# Altium PCB EVK-IRIS-W1.PcbDoc (part 1 of 9)
Units mm, origin at the board's own origin, x right, y up, seen from the top; angles counter-clockwise.
Board outline 94.11 x 129.93 mm, 6 copper layers (L1, L2, L3, L4, L5, L6), stack 1.547 mm thick; 619 components, 422 nets, 2042 pads, 1499 vias.
Unrouted connection lines stored in the file: 4.
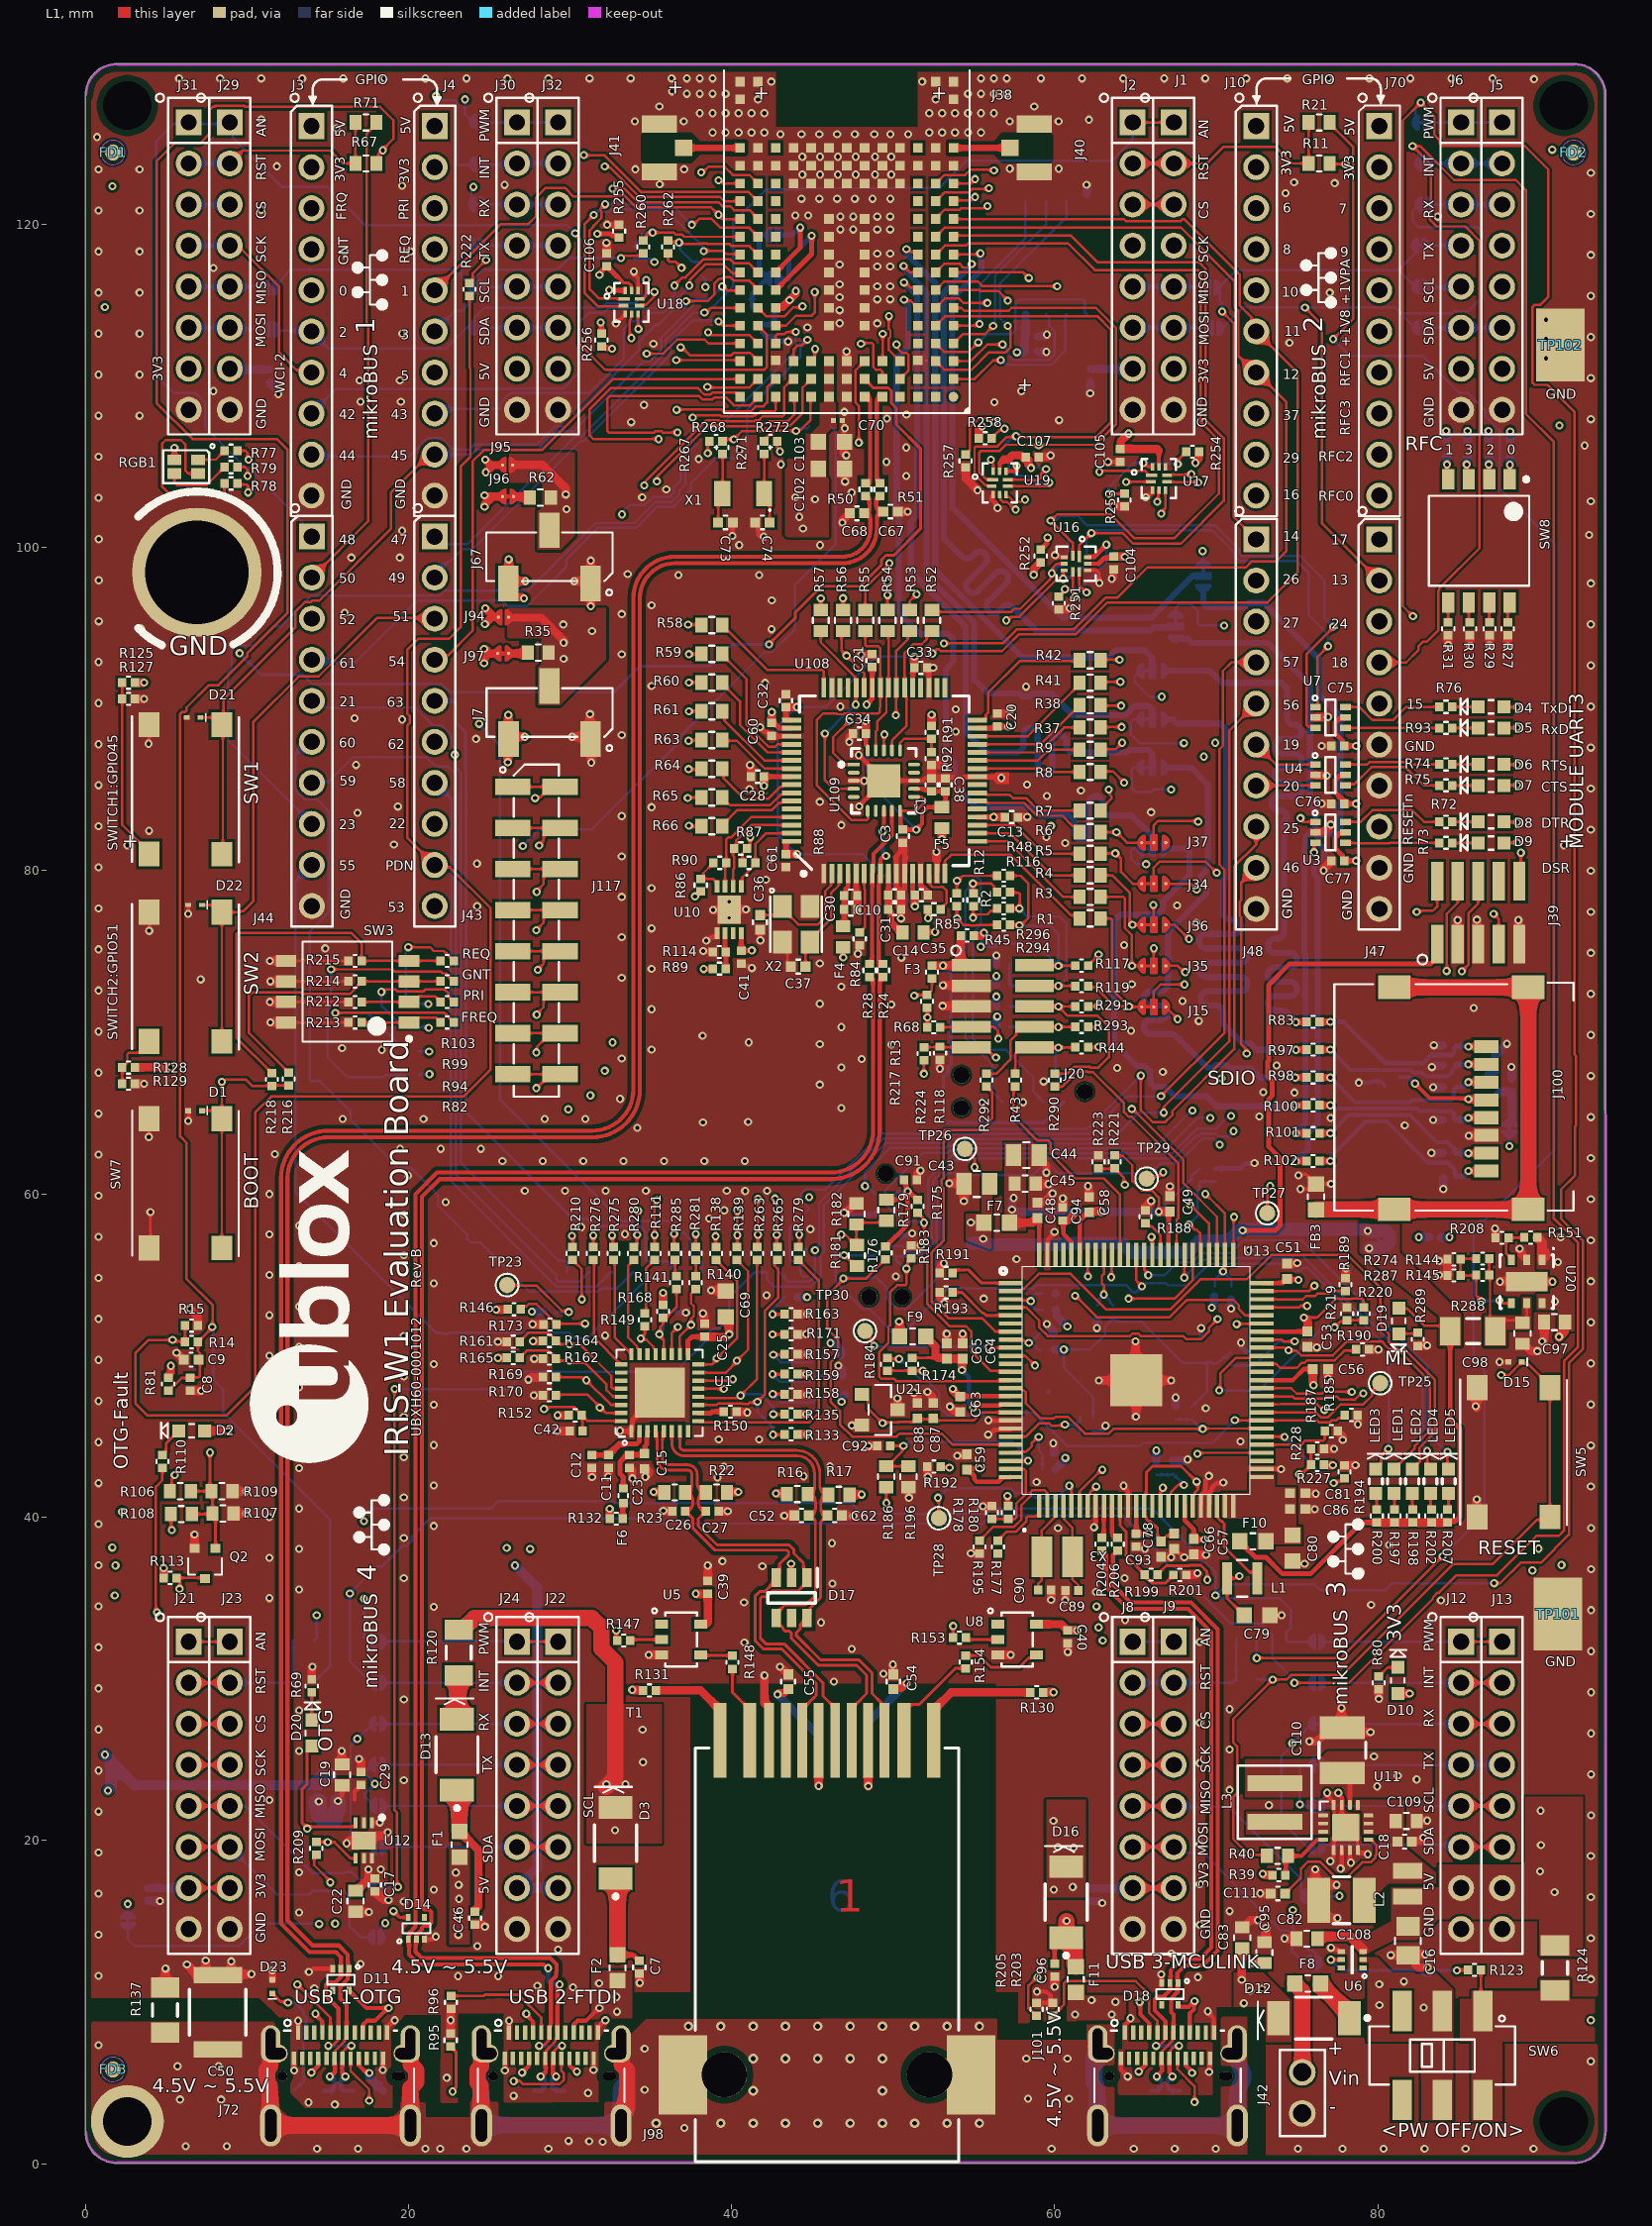
[diagram p0: L1 view]
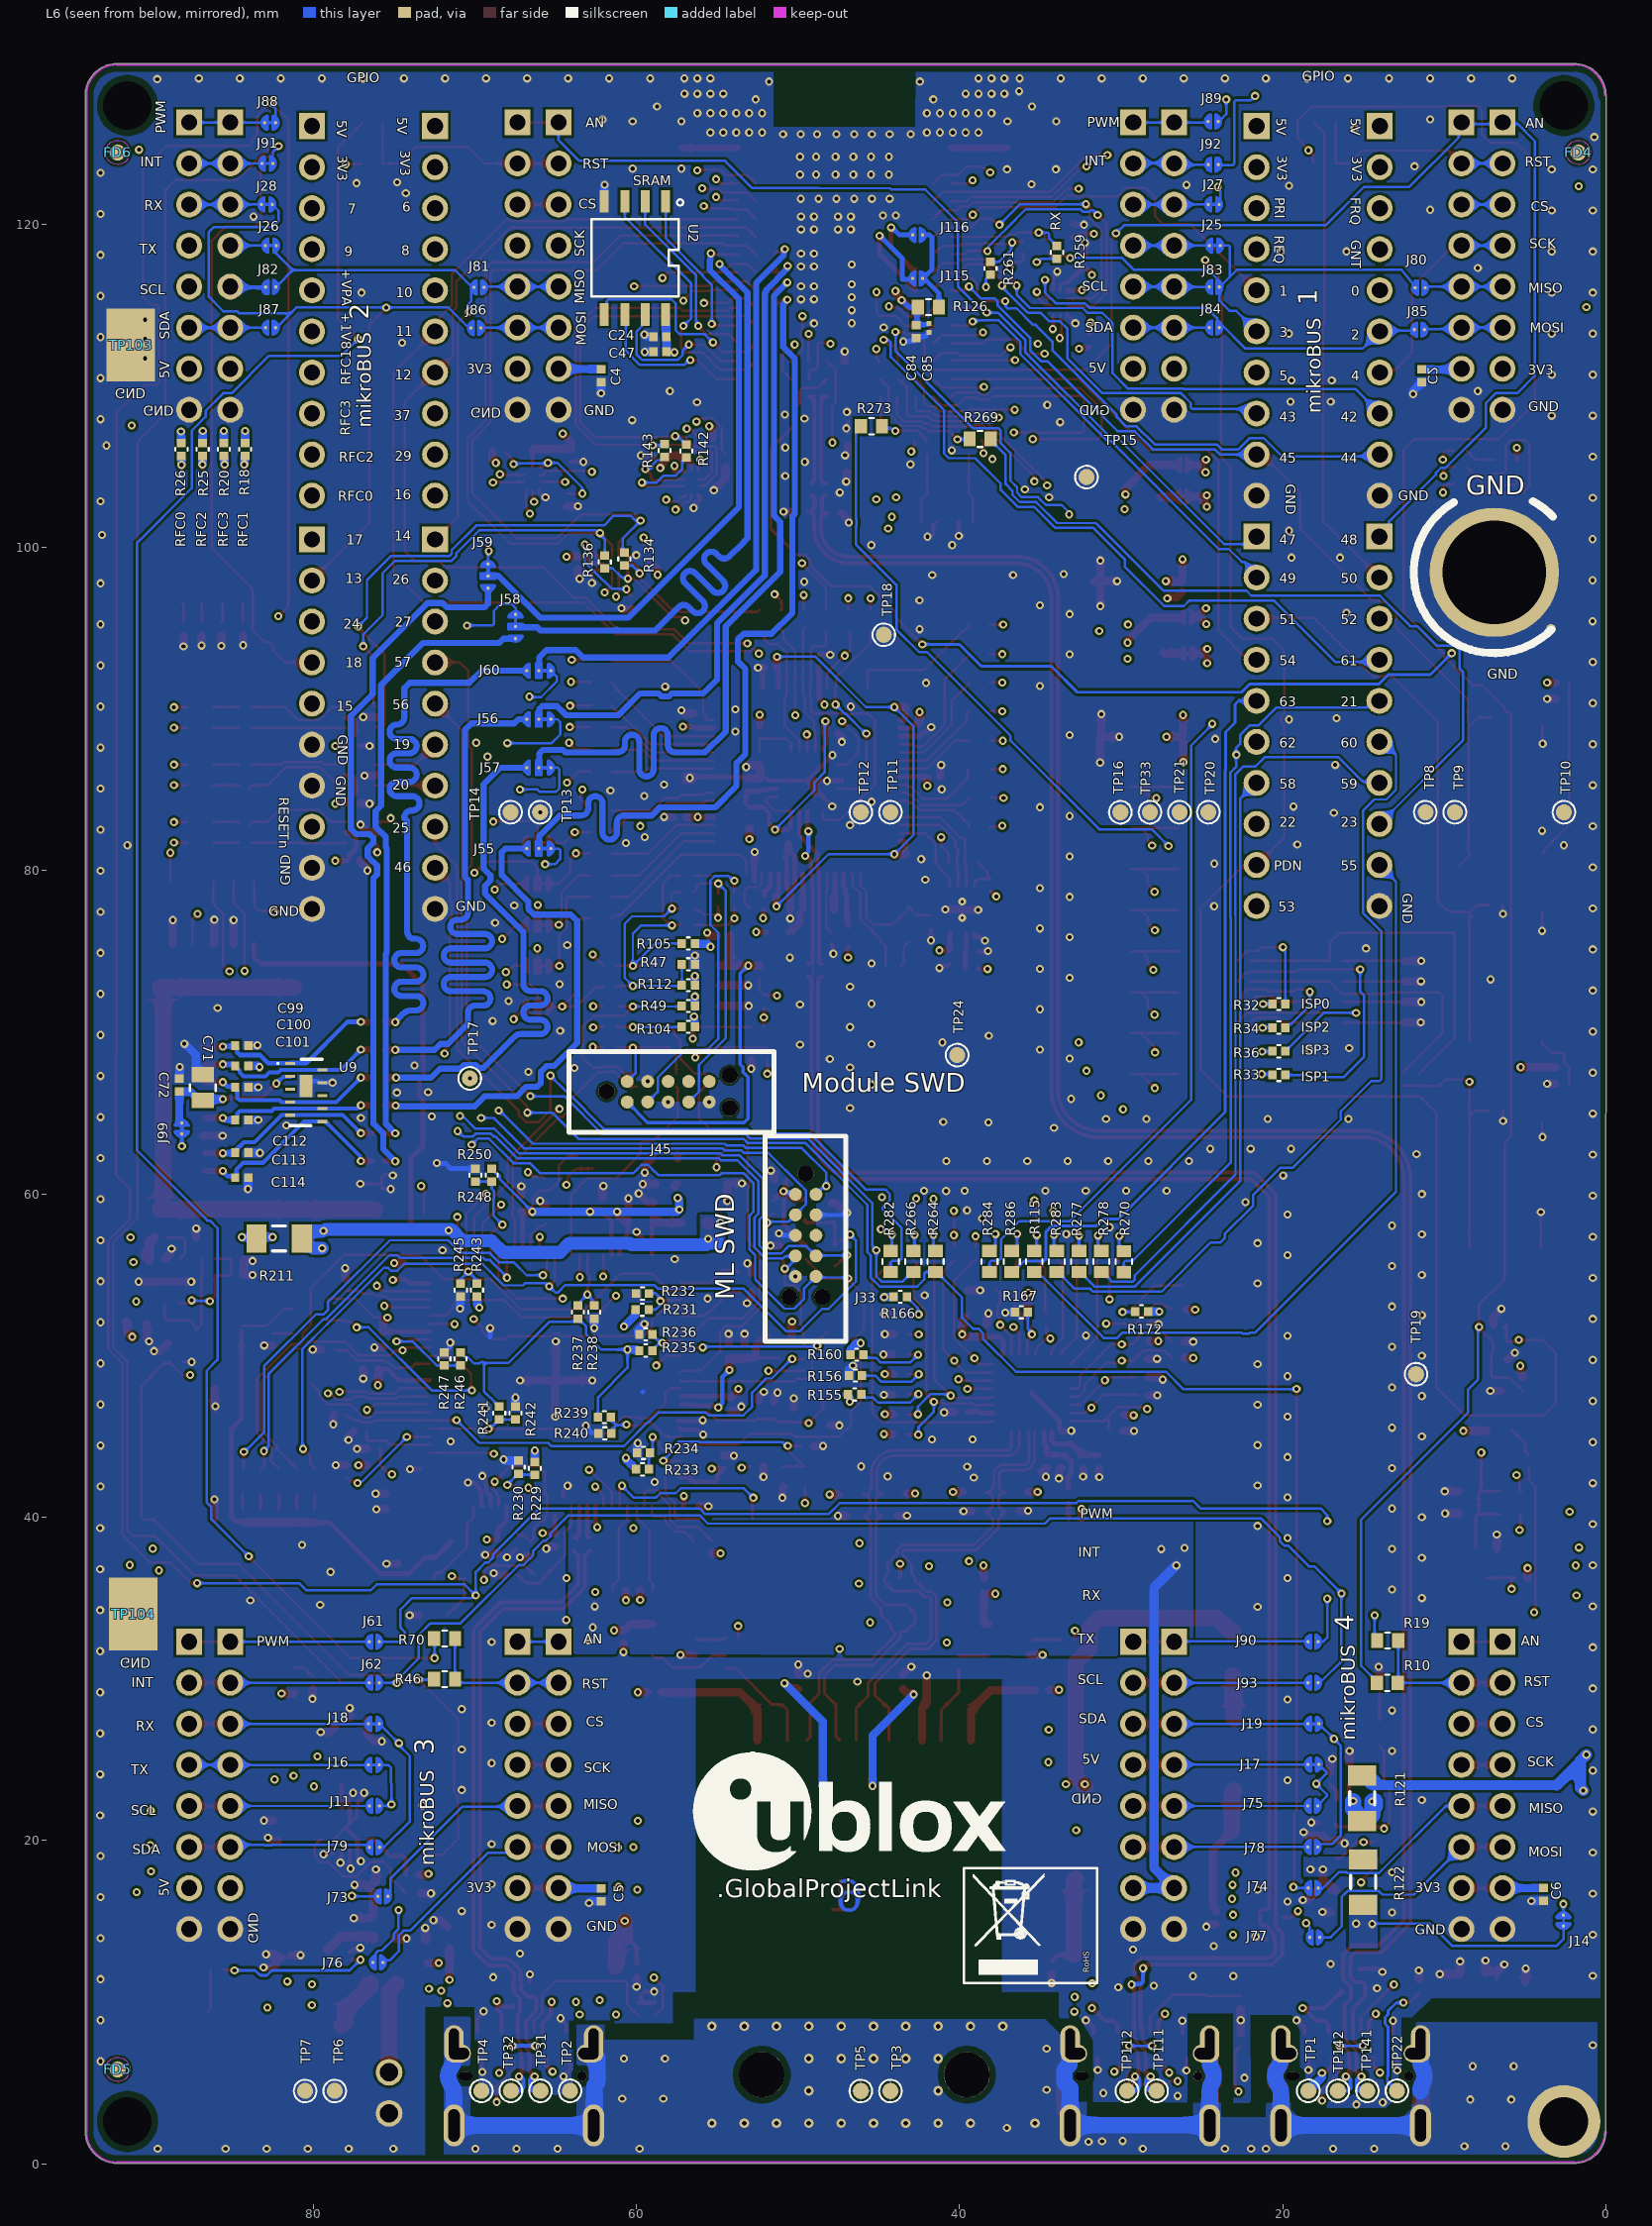
[diagram p1: L6 view, seen from below]
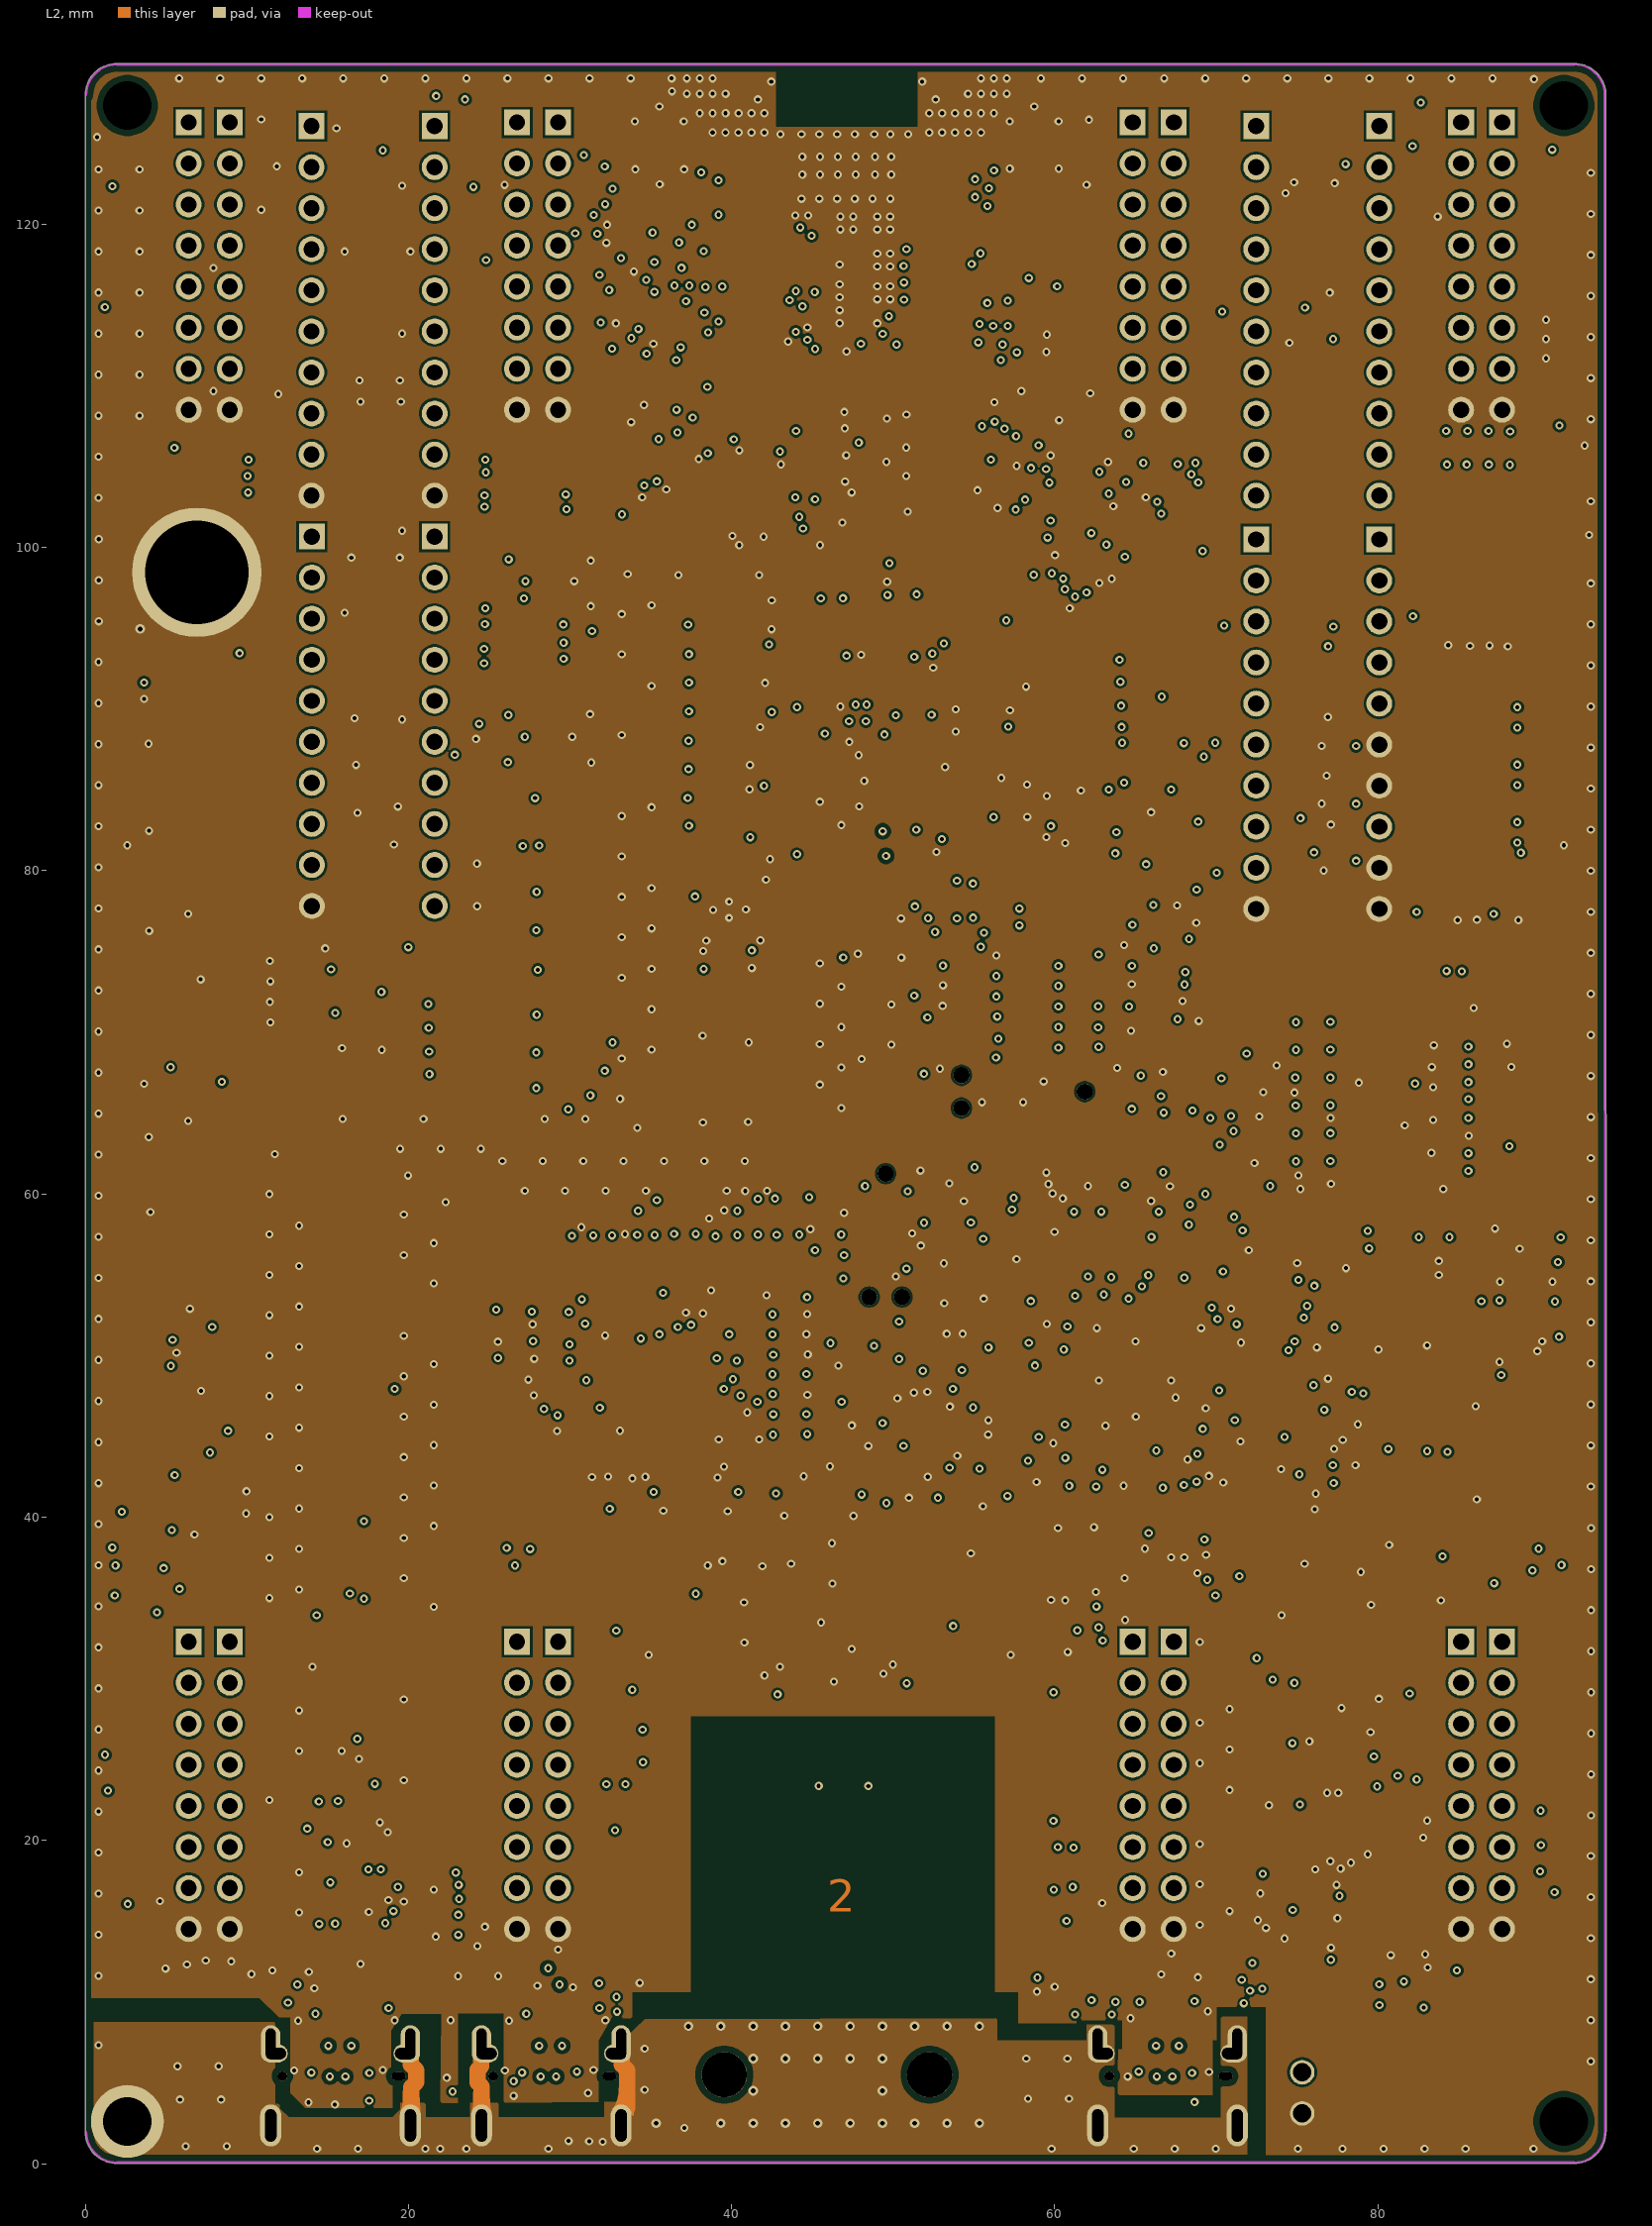
[diagram p2: L2]
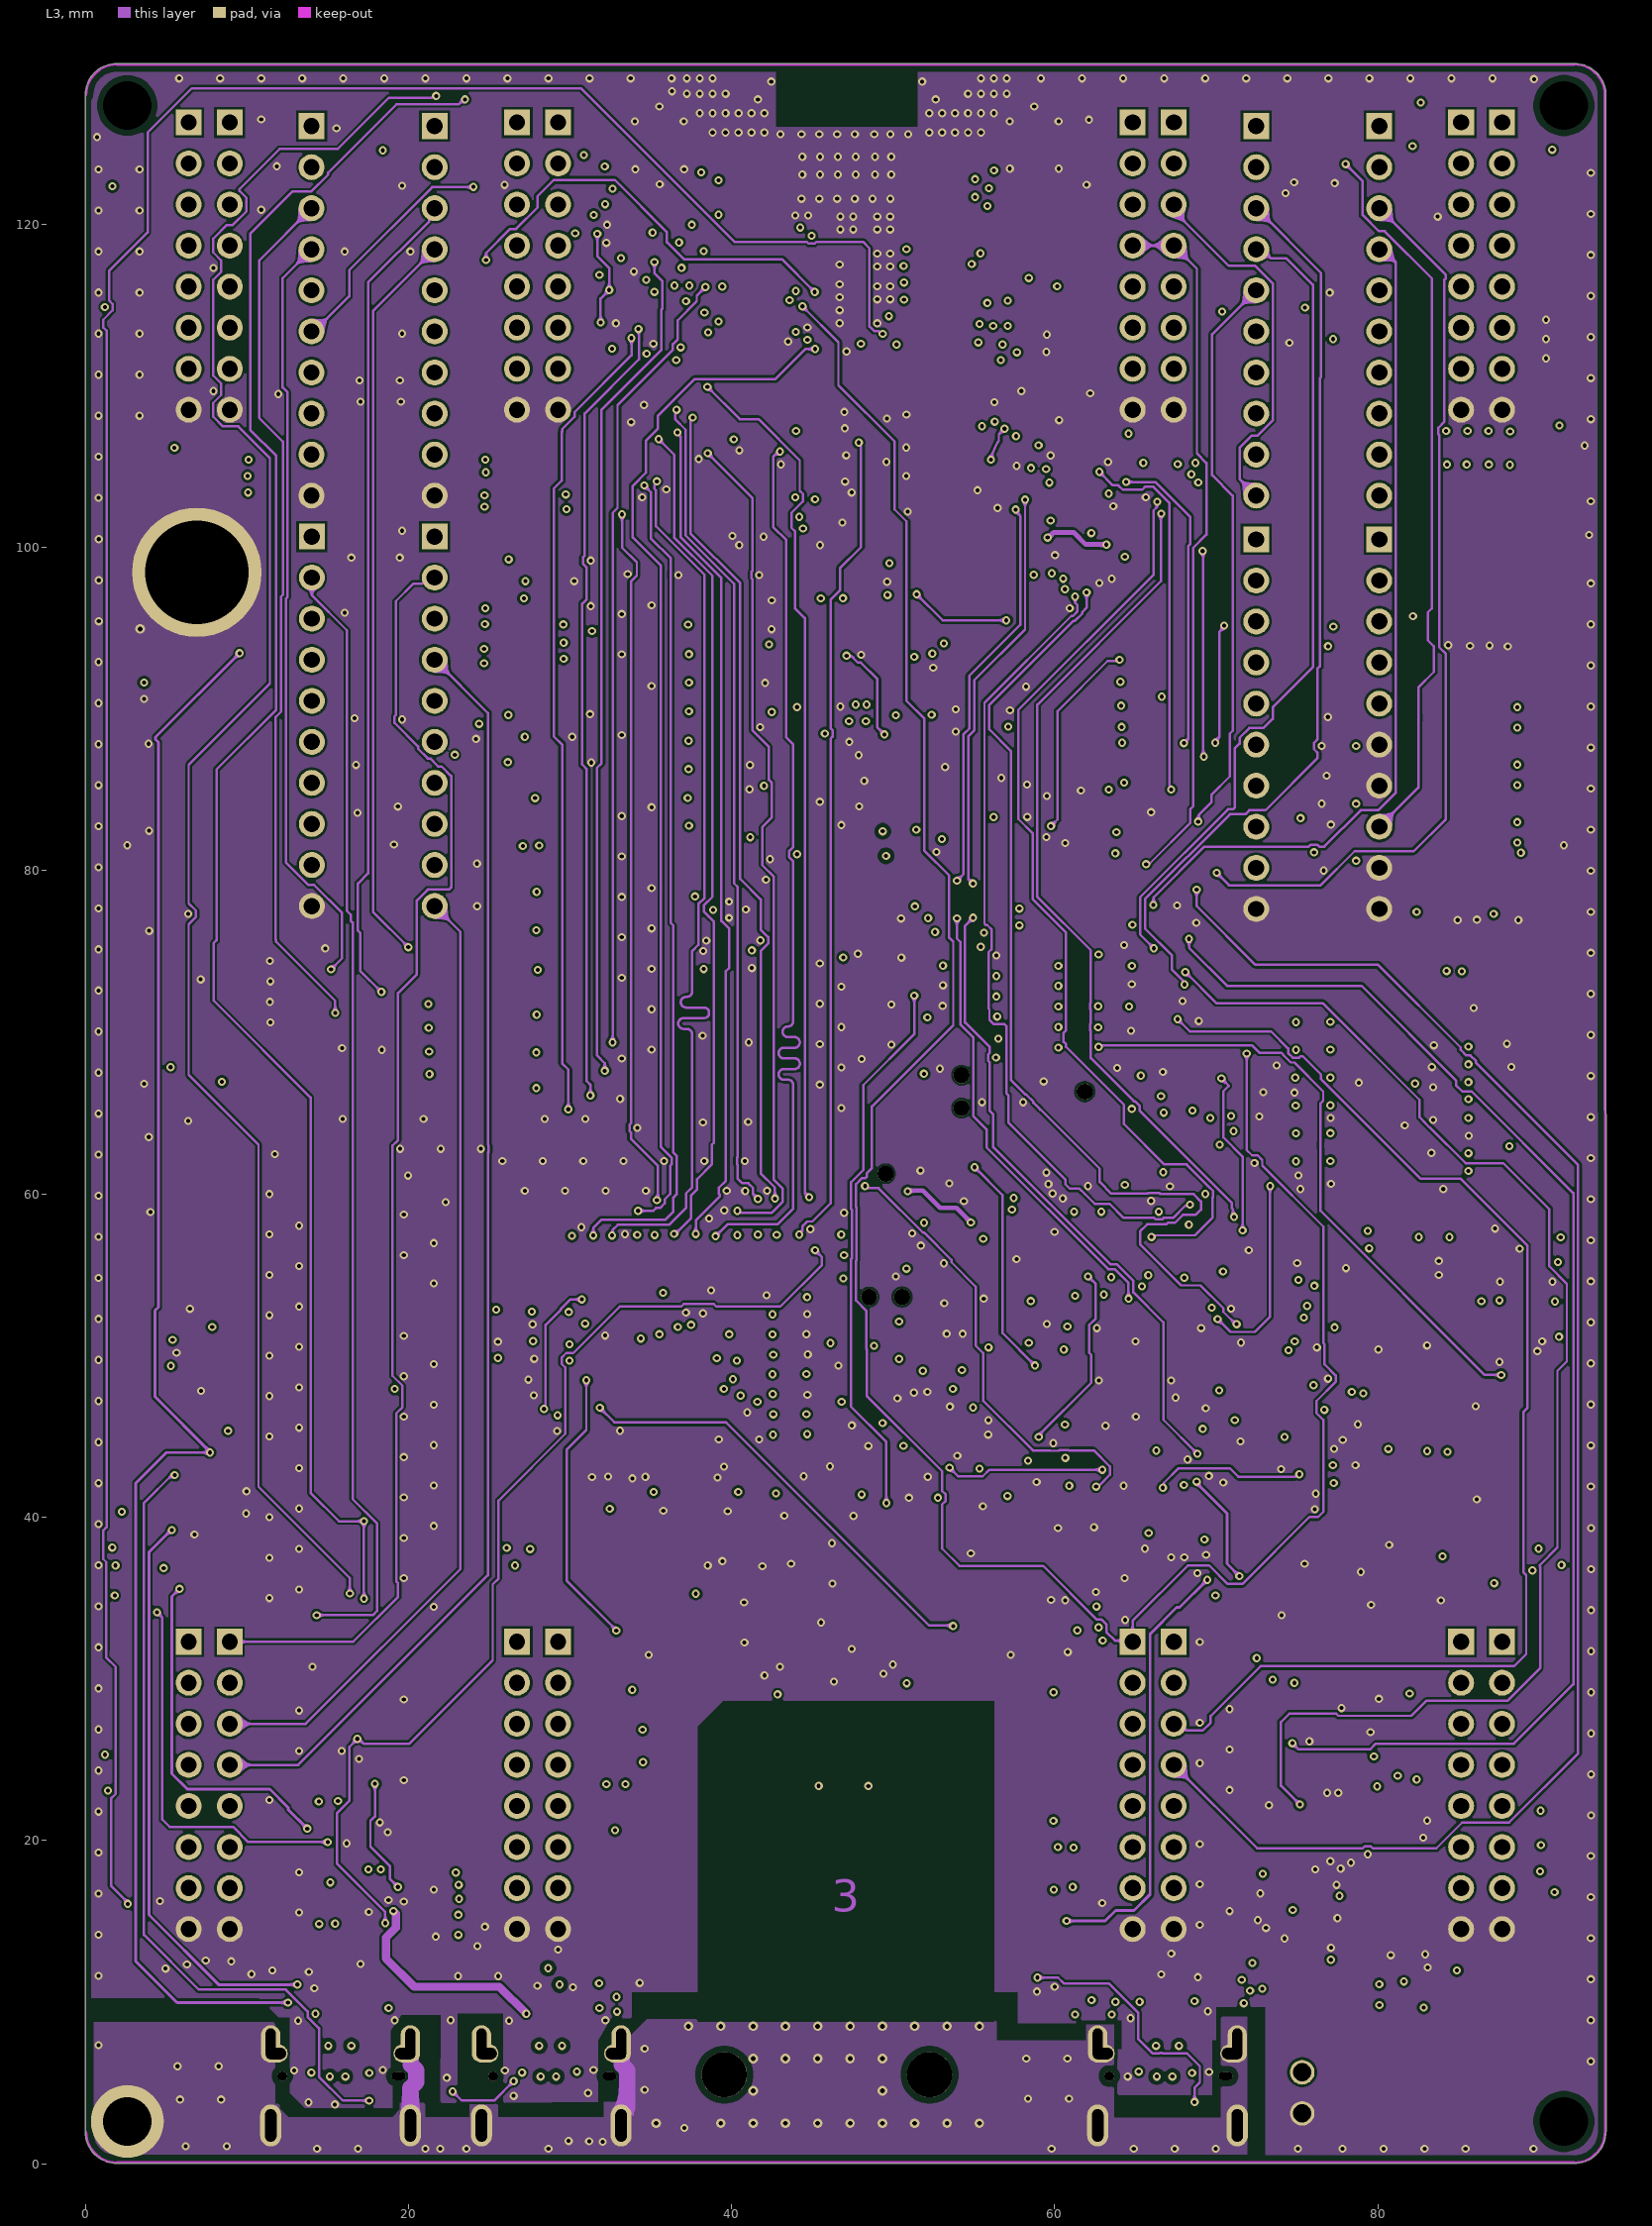
[diagram p3: L3]